# KiCad board rosco_m68k.kicad_pcb (continued)
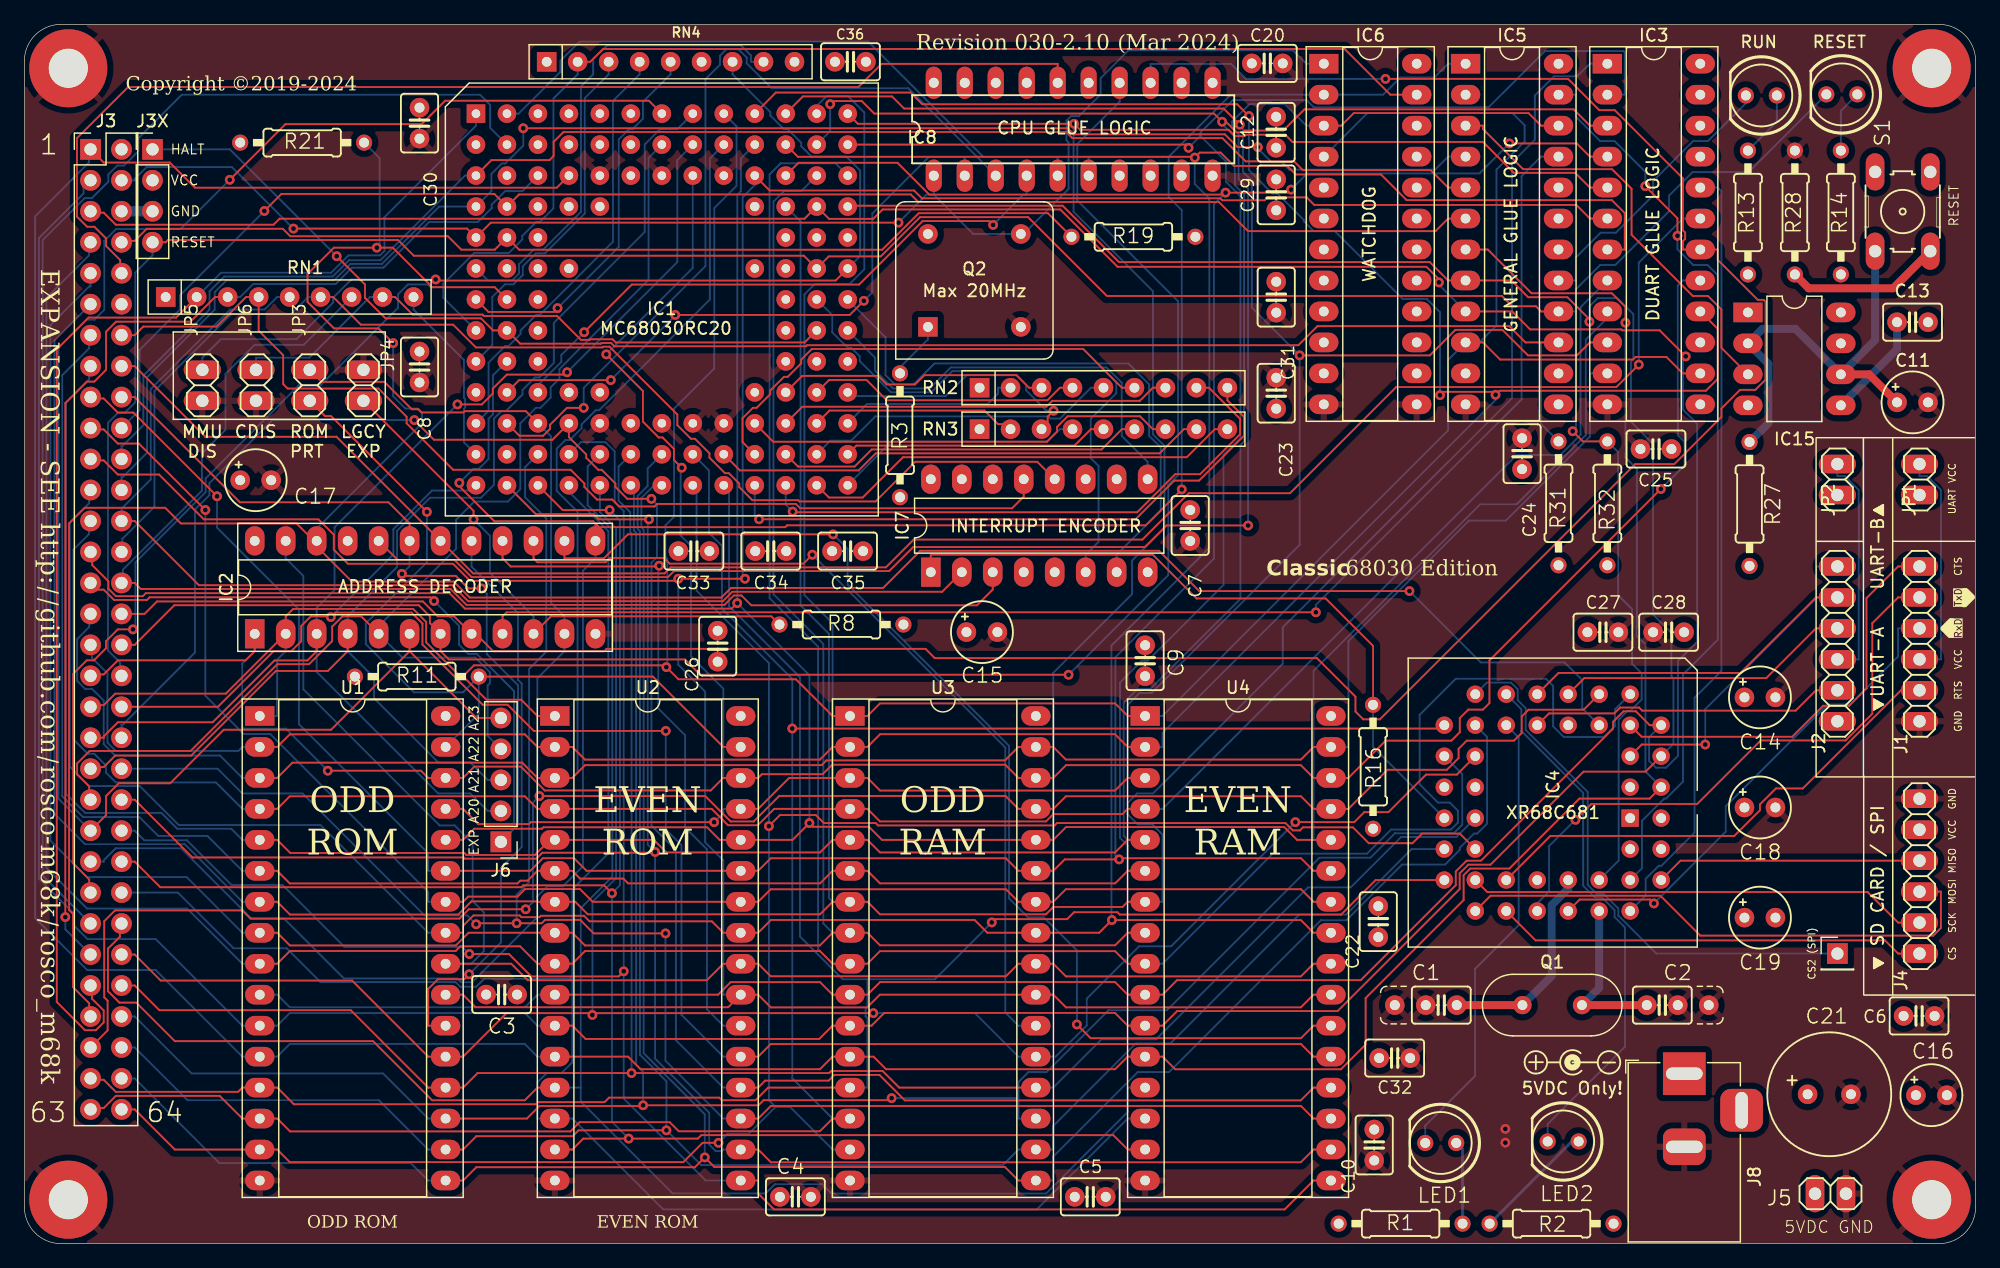
[diagram p0: board, top side]
## Routing (per net, layer and track width the routed paths; a pad name or vN(x,y) marks a point on that pad's centre or on a via; arc(x,y) is an arc through that point)
GND: length 265.2
  Route2 w0.65: IC1.J3 43.35,71.12 43.35,66.83 44.14,66.04 45.95,66.04 IC1.L5 48.43,68.52 51.03,68.52 IC1.L7 ; IC1.J3 40.81,71.06 32.83,71.06 C8.2 ; IC1.J3 40.87,73.6 40.87,76.2 IC1.G3 IC1.F3 IC1.E3 ; IC1.L7 51.03,66.04 51.03,64.23 51.82,63.44 52.78,63.44 53.57,62.65 53.57,59.4 C33.2 ; IC1.L7 IC1.L8 IC1.L9 ; IC1.C9 56.11,88.84 53.51,88.84 IC1.C7 50.88,86.21 50.88,86.18 48.61,86.18 IC1.C5 45.95,86.36 45.95,84.55 43.92,82.52 IC1.E3 ; IC1.C9 58.65,88.9 58.65,93.19 61.1,95.64 67.71,95.64 C36.2 ; IC1.C9 57.35,85.85 60.68,82.52 IC1.E11 63.67,81.28 63.67,73.6 IC1.J11 ; IC1.J11 63.67,71.12 69.18,71.12 69.62,70.68 69.62,57.65 C35.2 ; IC1.J11 60.68,72.36 57.35,69.03 IC1.L9 ; IC1.E3 40.87,83.76 40.87,85.51 40.08,86.3 35.6,86.3 32.4,89.5 C30.1 ; IC1.L9 58.59,66.04 60.34,66.04 61.16,65.22 61.16,58.11 C34.2 ; C18.- 142.31,37.05 139.55,37.05 138.76,36.25 132.86,36.25 130.48,38.63 117.62,38.63 111.02,32.03 C22.2
  Route2 w0.85: 7.96,84.67 12.26,84.67 13.22,85.63 13.22,92.47 9.29,96.4 H2.1 ; C21.- 151.51,13.98 151.51,26.23 151,26.74 C19.-
  Route15 w0.85: 149.37,11.84 C21.-
  Bottom w0.85: 7.96,84.67 J3-X1.3
  vias: v1(121.44,9.41) v1(121.44,8.28)
VCC: length 225.4
  Route15 w0.65: IC1.F2 40.81,78.74 40.81,76.2 IC1.H3 43.62,73.39 43.62,70.85 IC1.K4 43.41,68.58 43.41,66.77 44.14,66.04 48.49,66.04 IC1.L6 50.97,66.04 50.97,64.29 51.76,63.5 52.72,63.5 53.51,62.71 53.51,56.92 ; IC1.F2 38.33,78.74 36.58,78.74 32.4,74.56 C8.1 ; IC1.F2 40.81,81.22 40.81,83.03 41.6,83.82 43.41,83.82 IC1.D4 ; C35.1 69.47,60.04 69.47,72.21 68.02,73.66 63.67,73.66 IC1.H11 ; IC1.D10 61.13,86.3 61.13,88.05 61.92,88.84 62.94,88.84 63.73,89.63 63.73,94.2 C36.1 ; IC1.K10 61.13,68.58 61.13,58 C34.1 ; C30.2 33.2,93.97 47.71,93.97 48.49,93.19 48.49,88.84 IC1.C6
  Route15 w0.85: IC1.D4 45.99,83.72 47.74,83.72 49.73,85.71 IC1.C6 52.27,85.06 IC1.D10 59.89,82.52 IC1.F11 61.09,78.64 61.09,76.24 IC1.H11 59.89,72.36 IC1.K10 52.27,69.82 IC1.L6 ; R21.1 14.6,87.21 J3-X1.2 ; J3-X1.2 11.93,85.78 11.93,77.98 ; J3-X1.2 7.96,89.75 7.96,95.77 8.05,95.86 ; C19.+ 146.22,21.56 C21.+
VCCUA: length 18.9
  Bottom w0.152: JP1.1 155.4,62.95 156.02,62.95 157.15,61.82 157.15,47.92 J1.3
VCCUB: length 18.9
  Bottom w0.152: JP2.1 148.66,62.95 149.28,62.95 150.42,61.82 150.42,47.92 J2.3
A0: length 53.6
  Bottom w0.152: IC8.5 84.73,89.14 78.63,89.14 69.18,98.59 45.53,98.59 43.95,97 43.95,96.1 40.53,92.68 IC1.A2
A1: length 315.4
  Top w0.152: 134.21,37.44 133.27,36.5 127.51,36.5 121.77,30.76 118.56,30.76 118.02,30.22 118.02,28.18 109.98,20.14 109.98,16.32 107.96,14.3 94.36,14.3 93.33,15.34 U4.12 90.47,15.34 89.44,14.3 70.66,14.3 69.63,15.34 U3.12 66.27,15.34 65.24,14.3 50.53,14.3 49.5,15.34 U2.12 ; IC5.7 120,81.54 123.59,77.95 130.17,77.95 131.29,76.83 v1(131.29,75.53) ; IC1.C4 43.65,86.6 13.99,86.6 11.92,88.67 6.5,88.67 J3.1
  Bottom w0.152: v1(131.29,75.53) 131.29,64.48 132.22,63.55 132.22,49.86 132.93,49.16 132.93,38.73 134.21,37.44 ; U2.12 42.07,15.34 41.02,16.38 21.78,16.38 20.73,15.34 U1.12 17.87,15.34 10.77,22.44 5.14,22.44 0.89,26.69 0.89,84.27 5.29,88.67 5.29,89.62
A2: length 318.4
  Top w0.152: IC5.8 121.94,79 123.31,77.62 126.53,77.62 128.33,75.82 v1(128.33,75.61) ; 117.73,79 116.75,79 115.24,80.51 89.76,80.51 85.14,85.13 67.58,85.13 ; IC4.4 132.94,38.71 127.85,38.71 120.22,31.08 118.41,31.08 117.69,30.37 117.69,29.08 107.68,19.07 94.52,19.07 93.33,17.88 U4.11 90.47,17.88 89.42,18.92 70.52,18.92 69.47,17.88 U3.11 66.27,17.88 65.18,16.79 46.02,16.79 44.93,17.88 U2.11
  Bottom w0.152: J3.3 4.85,86.64 4.85,86.13 1.19,82.48 1.19,29.93 3.98,27.14 3.98,26.17 5.17,24.98 10.77,24.98 17.87,17.88 U1.11 20.73,17.88 21.76,18.91 41.04,18.91 42.07,17.88 U2.11 ; v1(128.33,75.61) 128.33,76.87 129.01,77.55 130.61,77.55 131.93,76.23 131.93,72.54 131.74,72.34 131.74,67.41 133.55,65.6 133.55,51.61 135.05,50.1 135.05,46.52 135.22,46.36 135.22,40.99 IC4.4
A3: length 306.6
  Top w0.152: IC4.6 133.28,42.52 132.14,43.66 131.13,43.66 130.27,42.8 130.27,42.24 119.44,31.41 118.26,31.41 117.37,30.52 117.37,29.4 109.59,21.61 94.52,21.61 93.33,20.42 U4.10 90.47,20.42 89.43,21.46 70.17,21.46 69.13,20.42 U3.10 66.27,20.42 65.24,21.45 57.91,21.45 56.88,20.42 U2.10 ; v1(115.99,78.84) 115.99,79.09 114.97,80.12 89.64,80.12 84.94,84.82 70.37,84.82 69.6,84.05 65.98,84.05 IC1.D12 63.97,84.06 20.92,84.06 20.43,83.57 7.49,83.57 6.5,84.56 5.54,84.56 ; IC5.9 122,76.46 123.47,74.98 130.95,74.98 131.03,74.9 134.09,74.9 v1(136.23,72.77)
  Bottom w0.152: v1(136.23,72.77) 135.99,72.54 135.99,68.41 137.17,67.24 137.17,49.36 135.59,47.79 135.59,40.01 134.61,39.03 133.79,39.03 133.23,39.59 133.23,41.54 IC4.6 ; U1.10 20.73,20.42 21.76,19.39 41.04,19.39 42.07,20.42 U2.10 ; IC5.9 115.99,78.64 v1(115.99,78.84)
A4: length 289.5
  Top w0.152: U4.9 90.47,22.96 89.44,23.99 70.16,23.99 69.13,22.96 68.41,22.96 ; U1.9 20.73,22.96 21.77,24 35.36,24 35.74,24.38 40.64,24.38 42.07,22.96 U2.9 44.93,22.96 45.97,23.99 65.23,23.99 66.27,22.96 U3.9
  Bottom w0.152: IC4.7 130.43,43.82 130.43,42.45 129.53,41.55 126.23,41.55 125.36,42.43 125.36,45.74 124.77,46.33 117.37,46.33 114.41,43.37 114.41,37.67 115.91,36.17 116.88,36.17 117.55,35.5 117.55,34.53 116.98,33.96 112.07,33.96 110.09,31.98 102.36,31.98 93.33,22.96 U4.9 ; U1.9 17.87,22.96 13.34,27.48 5.14,27.48 1.8,30.81 1.8,77.57 5.29,81.05 5.29,82 ; U3.9 66.27,22.96 65.09,24.14 65.09,48.96 61.1,52.94 61.1,87.69 62.02,88.61 66.5,88.61 IC1.C13
A5: length 210.6
  Top w0.152: U3.8 66.27,25.5 65.23,24.45 45.97,24.45 44.93,25.5 U2.8 36.42,25.5 35.38,24.46 21.77,24.46 20.73,25.5 U1.8 ; U4.8 90.47,25.5 89.44,24.47 70.16,24.47 69.13,25.5 68.41,25.5
  Bottom w0.152: IC1.C12 63.7,86.33 62.29,86.33 61.43,85.47 61.43,53.26 65.51,49.17 65.51,26.25 66.27,25.5 U3.8 ; J3.9 5.42,78.51 5.31,78.51 2.13,75.33 2.13,33.06 5.13,30.06 13.31,30.06 17.87,25.5 U1.8
A6: length 288.4
  Top w0.152: U4.7 90.47,28.04 90.05,27.61 84.37,27.61 83.77,27.01 70.16,27.01 69.13,28.04 U3.7 ; 66.99,28.04 66.27,28.04 65.24,27.01 46.2,27.01 45.17,28.04 U2.7 42.07,28.04 42.04,28.07 36.66,28.07 35.58,26.99 21.77,26.99 20.73,28.04 U1.7
  Bottom w0.152: J3.11 2.46,74.09 2.46,35.27 4.97,32.76 13.14,32.76 17.87,28.04 U1.7 ; IC1.D11 63.65,83.84 63.65,52.34 65.97,50.02 65.97,28.34 66.27,28.04 U3.7 ; IC3.1 128.37,96.78 127.35,95.75 125.44,95.75 123.86,94.17 123.86,90.53 121.99,88.66 121.99,69.34 103.18,50.54 103.18,47.56 92.55,36.93 91.25,36.93 90.46,36.14 90.46,35.22 91.29,34.39 92.5,34.39 93.33,33.55 93.33,28.04 U4.7
A7: length 272.2
  Top w0.152: v1(95.46,89.88) 95.2,90.14 IC1.B13 ; 66.99,30.58 66.27,30.58 65.24,29.55 49.5,29.55 49.11,29.94 45.57,29.94 44.93,30.58 U2.6 42.07,30.58 41.27,29.77 40.66,29.77 40.43,29.54 21.77,29.54 20.73,30.58 U1.6 ; U3.6 69.13,30.58 70.16,29.55 89.44,29.55 90.47,30.58 U4.6
  Bottom w0.152: U1.6 17.87,30.58 15,33.45 10.97,33.45 9.43,34.98 4.82,34.98 3.1,36.7 3.1,71.22 5.31,73.43 5.31,74.4 ; IC3.2 131.23,94.24 131.23,97.72 131.14,97.81 124.68,97.81 120.08,93.21 105.72,93.21 105.14,93.79 99.1,93.79 96.44,91.13 96.44,90.85 ; 96.44,90.85 98.53,88.76 98.53,87.1 99.71,85.91 99.71,66.08 98.32,64.69 98.32,54.02 92.11,47.81 91.63,47.81 89.84,46.02 89.84,33.29 90.47,32.66 90.47,30.58 U4.6 ; 96.44,90.85 v1(95.46,89.88)
A8: length 263.4
  Top w0.152: U3.5 69.13,33.12 70.16,32.08 89.44,32.08 90.47,33.12 U4.5 ; U1.5 20.73,33.12 21.81,32.04 36.08,32.04 36.24,31.88 41.86,31.88 43.1,33.12 ; 66.99,33.12 66.27,33.12 65.23,32.08 52.64,32.08 51.61,33.12 U2.5 ; v1(66.07,93.46) 66.33,93.71 68.66,93.71 69.69,92.69 97.54,92.69 v1(98.22,92.02) 98.53,92.02 99.4,91.14 99.92,91.14 100.07,91.29 103.22,91.29 104.97,93.03 127.03,93.03 128.37,91.7 IC3.3
  Bottom w0.152: v1(98.22,92.02) 98.22,91.82 99.25,90.78 99.25,86.81 100.02,86.05 100.02,65.8 99.71,65.49 99.71,52.88 92.32,45.48 91.27,45.48 90.14,44.36 90.14,33.44 90.47,33.12 U4.5 ; U1.5 17.87,33.12 16.96,34.02 12.53,34.02 11.23,35.33 4.97,35.33 3.41,36.89 3.41,68.99 5.31,70.89 5.31,71.86 ; v1(66.07,93.46) 66.07,91.24 IC1.B12
A9: length 257.7
  Top w0.152: U4.27 105.71,30.58 104.68,31.61 89.86,31.61 v1(89.77,31.51) 85.31,31.51 84.37,30.58 U3.27 81.51,30.58 80.48,31.61 61.2,31.61 60.17,30.58 U2.27 46.1,30.58 45.06,31.61 42.52,31.61 41.48,30.58 U1.27 ; v1(15.8,61.29) 8.93,68.16 7.66,68.16 6.5,69.32 5.54,69.32 ; IC3.4 128.37,89.16 127.3,90.23 v1(121.77,90.23) ; IC1.C11 63.48,88.65 71.59,88.65 74.2,86.04 98.34,86.04 v1(98.5,86.2) 103.62,86.2 v1(103.87,86.45)
  Bottom w0.152: U1.27 33.11,30.58 33.11,32.01 22.51,42.6 22.51,52 15.8,58.72 v1(15.8,61.29) ; v1(98.5,86.2) 97.54,85.25 97.54,56.18 89.46,48.1 89.46,31.82 v1(89.77,31.51) ; v1(121.77,90.23) 119.32,87.78 105.2,87.78 v1(103.87,86.45)
A10: length 265.2
  Top w0.152: U4.26 105.71,28.04 104.68,29.07 85.4,29.07 84.37,28.04 U3.26 ; 59.45,28.04 60.17,28.04 61.2,29.07 80.48,29.07 81.51,28.04 82.23,28.04 ; U2.26 46.6,28.04 45.55,29.08 41.05,29.08 40.43,28.46 36.4,28.46 35.97,28.04 U1.26 ; IC1.A13 68.34,91.85 v1(86.08,91.85) 86.57,91.35 98.76,91.35 99.28,90.84 100.05,90.84 100.16,90.95 103.39,90.95 103.98,90.36 119.61,90.36 122.14,87.82 127.17,87.82 128.37,86.62 IC3.5 ; v1(14.84,60.17) 9.39,65.62 7.66,65.62 6.5,66.78 5.54,66.78
  Bottom w0.152: U3.26 84.37,28.04 84.37,46.82 90.84,53.28 90.84,56.03 93.49,58.69 93.49,65.42 92.54,66.37 92.54,78.12 86.03,84.63 86.03,91.79 v1(86.08,91.85) ; U1.26 33.11,28.04 33.11,28.84 20.16,41.79 17.98,41.79 14.84,44.94 v1(14.84,60.17)
A11: length 275.1
  Top w0.152: v1(59.09,54.53) v1(53.62,54.53) 53.45,54.36 36.55,54.36 35.15,55.76 26.53,55.76 25.37,56.92 25.37,58.14 24.11,59.4 14.72,59.4 11.04,63.08 7.66,63.08 6.5,64.24 5.54,64.24 ; U3.23 70.15,20.42 69.1,19.37 61.21,19.37 60.17,20.42 U2.23 57.71,19.39 37,19.39 35.97,20.42 U1.23 ; IC3.6 128.37,84.08 127.26,85.19 105.77,85.19 105.15,85.81 101.93,85.81 101.69,85.57 98.24,85.57 98.07,85.74 73.59,85.74 72.95,86.38 61.11,86.38 IC1.C10 ; U4.23 105.71,20.42 104.67,19.38 85.41,19.38 84.37,20.42 83.65,20.42
  Bottom w0.152: v1(53.62,54.53) 53.62,47.48 55.82,45.27 55.82,32.92 57.31,31.43 57.31,20.42 U2.23 ; v1(59.09,54.53) 58.9,54.72 58.9,85.82 59.89,86.81 IC1.C10
A12: length 277.2
  Top w0.152: U1.25 35.97,25.5 35.97,26.06 36.82,26.91 40.62,26.91 40.76,26.78 42.24,26.78 42.35,26.89 45.89,26.89 46.34,26.43 56.37,26.43 57.31,25.5 U2.25 60.17,25.5 61.22,26.55 77.91,26.55 78.96,25.5 82.23,25.5 ; U3.25 88.14,25.5 v1(89.18,26.54) 104.67,26.54 105.71,25.5 U4.25 ; IC3.7 131.23,81.54 131.23,84.52 130.17,85.59 113.34,85.59 111.24,87.69 104.25,87.69 103.55,88.39 99.19,88.39 98.09,89.49 96.38,89.49 v1(95.97,89.08) 95.91,89.14 63.43,89.14 IC1.B11
  Bottom w0.152: v1(95.97,89.08) 95.97,86.92 97.17,85.72 97.17,57.07 89.14,49.04 89.14,26.58 v1(89.18,26.54) ; 5.31,61.7 5.31,60.73 3.71,59.13 3.71,39.14 5.33,37.52 9.47,37.52 12.66,34.33 24.28,34.33 33.11,25.5 U1.25
A13: length 241.2
  Top w0.152: 67.25,35.66 61.48,35.66 60.14,34.32 57.7,34.32 56.36,35.66 U2.4 42.07,35.66 41.04,36.69 21.76,36.69 20.73,35.66 U1.4 ; U4.4 90.47,35.66 90.04,35.23 84.37,35.23 83.77,34.63 70.16,34.63 69.13,35.66 U3.4
  Bottom w0.152: 64.97,93.31 65.8,94.14 67.51,94.14 68.87,92.78 68.87,79.91 67.67,78.71 64.83,78.71 63.96,77.84 63.96,53.19 66.27,50.88 66.27,35.66 U3.4 ; U1.4 17.87,35.66 15.7,37.83 7.5,37.83 6.69,38.63 6.69,39.21 5.73,40.18 5.2,40.18 4.02,41.36 4.02,56.92 5.29,58.19 5.29,59.14 ; U4.4 93.33,35.66 122.36,64.69 125.95,64.69 127.61,66.35 127.61,76.8 IC3.8
A14: length 245.5
  Top w0.152: U1.28 35.97,33.12 36.88,34.03 42.44,34.03 42.56,34.15 55.98,34.15 57.01,33.12 U2.28 62.99,33.12 v1(64.37,34.49) 64.68,34.19 69.25,34.19 70.32,33.12 82.23,33.12 ; U3.28 84.37,33.12 85.42,34.17 103.31,34.17 104.36,33.12 U4.28 ; 5.56,56.6 5.56,55.65 6.89,54.32 6.89,53.72 7.5,53.1 9.71,53.1 9.96,53.35 34.86,53.35 36.13,52.08 58.01,52.08 v1(58.46,52.53)
  Bottom w0.152: 129.8,75.92 128.04,74.15 128.04,66.32 122.36,60.64 119.37,60.64 105.71,46.98 105.71,33.12 U4.28 ; IC1.B10 58.75,89 58.75,86.32 58.46,86.02 v1(58.46,52.53) 64.37,46.62 v1(64.37,34.49)
A15: length 245.9
  Top w0.152: v1(33.59,52.71) 33.29,53.01 10.27,53.01 10.05,52.79 7.35,52.79 6.5,53.64 5.98,53.64 J3.29 ; 66.99,38.2 66.27,38.2 66.27,38.19 62.71,38.19 60.17,35.66 U2.29 ; U1.29 35.97,35.66 37.21,34.41 41.38,34.41 41.53,34.57 v1(56.56,34.57) ; IC1.A11 63.84,94.09 71.14,94.09 72.13,93.1 98.34,93.1 v1(99.66,91.77) ; v1(104.57,72.85) 115.25,72.85 117.34,74.94 121.2,74.94 123.29,72.85 127.31,72.85 128.37,73.92 IC3.10 ; U3.3 69.13,38.2 70.16,37.16 89.44,37.16 90.47,38.2 U4.3
  Bottom w0.152: v1(99.66,91.77) 99.92,91.51 99.92,87.9 100.65,87.18 100.65,76.77 v1(104.57,72.85) 104.57,57.31 92.44,45.17 91.45,45.17 90.47,44.19 90.47,38.2 U4.3 ; U2.29 57.31,35.66 57.31,35.32 v1(56.56,34.57) ; v1(33.59,52.71) 35.64,50.67 35.64,49.12 36.39,48.36 37.11,48.36 40.15,45.32 40.15,34.53 40.01,34.39 37.24,34.39 35.97,35.66 U1.29
A16: length 220
  Top w0.152: U1.3 20.73,38.2 21.98,39.45 40.82,39.45 42.07,38.2 U2.3 44.93,38.2 45.98,39.24 65.38,39.24 65.76,39.63 80.41,39.63 81.51,40.74 U3.31 ; U4.31 105.71,40.74 104.68,39.7 85.4,39.7 84.37,40.74 83.65,40.74
  Bottom w0.152: 5.31,51.54 5.31,50.57 4.32,49.58 4.32,46.14 4.98,45.49 5.55,45.49 6.5,44.54 6.5,40.97 7.44,40.03 16.04,40.03 17.87,38.2 U1.3 ; IC1.B9 56.21,89 56.21,77.43 47.13,68.35 46.85,68.35 45.69,67.2 45.69,66.88 44.71,65.9 44.35,65.9 43.65,65.2 43.65,61.74 45.36,60.03 45.36,38.63 44.93,38.2 U2.3 ; IC3.11 128.37,71.38 128.37,66.2 121.47,59.3 118.46,59.3 108.57,49.41 108.57,40.74 U4.31
A17: length 240.9
  Top w0.152: v1(116.08,69.59) 116.35,69.86 120.39,69.86 v1(120.64,69.62) 120.97,69.95 137.88,69.95 138.85,70.92 138.85,75.03 IC3.16 ; U2.2 44.93,40.74 45.97,39.7 65.23,39.7 66.27,40.74 U3.2 69.13,40.74 70.17,41.78 89.43,41.78 90.47,40.74 U4.2 ; 42.79,40.74 42.07,40.74 41.04,41.77 21.76,41.77 20.73,40.74 U1.2 ; IC1.A10 61.62,94.41 72.66,94.41 73.62,93.45 99.44,93.45 v1(100.41,92.48)
  Bottom w0.152: U1.2 17.87,40.74 17.54,40.41 7.5,40.41 6.81,41.1 6.81,46.77 5.55,48.03 5.55,48.99 ; v1(120.64,69.62) 120.64,69.2 93.33,41.89 93.33,40.74 U4.2 ; v1(116.08,69.59) 116.08,76.4 115,77.48 113.02,77.48 107.45,83.05 105.72,83.05 104.91,83.85 104.91,83.97 102.75,86.13 102.34,86.13 100.41,88.05 v1(100.41,92.48)
A18: length 235.4
  Top w0.152: v1(53.9,63.64) 53.26,64.27 53.26,65.19 52.33,66.12 52.02,66.12 50.72,67.42 50.72,69.93 v1(47.72,72.94) ; v1(24.88,38.79) 32.52,38.79 33.11,38.2 U1.30 35.97,38.2 36.9,39.13 40.71,39.13 42.67,37.17 56.28,37.17 57.31,38.2 U2.30 60.17,38.2 60.47,38.5 65.45,38.5 66.23,39.28 80.43,39.28 81.51,38.2 U3.30 84.37,38.2 85.42,39.24 104.66,39.24 105.71,38.2 U4.30 108.57,38.2 111.62,41.25 117.01,41.25 117.7,41.94 117.7,43.1 118.4,43.8 119.6,43.8 120.13,44.33 120.13,47.84 v1(134.19,61.89) ; IC2.1 18.89,48.59 18.14,47.84 7.66,47.84 6.5,46.68 5.54,46.68
  Bottom w0.152: v1(47.72,72.94) 54.81,80.03 IC1.C8 ; IC3.17 135.99,79 135.58,78.58 135.58,66.31 136.14,65.75 136.14,63.84 v1(134.19,61.89) ; IC2.1 18.89,48.59 17.86,47.56 17.86,42.37 18,42.23 21.43,42.23 v1(24.88,38.79) ; v1(53.9,63.64) 53.81,63.55 53.81,58.07 54.66,57.23 54.66,48.17 57.31,45.52 57.31,38.2 U2.30
A19: length 264
  Top w0.152: 35.96,46.53 36.87,47.43 52.49,47.43 v1(52.64,47.28) 53.63,46.29 63.26,46.29 66.27,43.28 U3.1 69.13,43.28 70.16,44.31 89.44,44.31 90.47,43.28 U4.1 ; 35.96,46.53 37.88,44.61 40.74,44.61 42.07,43.28 U2.1 ; 35.96,46.53 35.73,46.53 32.94,49.31 32.94,50.99 31.88,52.06 22.04,52.06 21.43,51.45 IC2.2 16.52,45.11 7.45,45.11 6.5,44.16 5.56,44.16 ; IC5.10 119.61,73.92 121.01,72.51 131.91,72.51 132.12,72.72 134.65,72.72 135.99,71.38 IC3.14
  Bottom w0.152: IC1.A9 58.4,91.63 58.4,86.76 56.57,84.94 56.57,71.78 53.27,68.48 53.27,59.62 52.57,58.92 52.57,56.32 52.72,56.18 52.72,47.36 v1(52.64,47.28) ; IC6.4 110.12,92.72 122.02,92.72 123.02,91.72 123.02,90.4 120.71,88.09 120.71,75.31 119.32,73.92 IC5.10 116.75,72.49 116.75,66.7 93.33,43.28 U4.1 ; U1.1 20.73,43.28 20.73,47.89 21.43,48.59 IC2.2
A20: length 102.8
  Top w0.152: J3.39 6.5,41.49 6.5,41.6 7.66,42.76 15.44,42.76 20.51,47.83 23.2,47.83 23.97,48.59 IC2.3 ; v1(44.5,71.47) 44.31,71.28 39.56,71.28 38.41,70.12 38.41,69.72 37.52,68.83 35.52,68.83 v1(35.51,68.83)
  Bottom w0.152: IC1.B8 53.54,88.87 53.54,80.5 v1(44.5,71.47) ; v1(35.51,68.83) 25.43,58.75 25.43,53.6 23.97,52.14 IC2.3 23.97,46.89 33.94,36.93 36.56,36.93 37.99,35.49 J6.2
A21: length 103.7
  Top w0.152: IC2.4 26.51,48.59 24.89,46.97 20.62,46.97 13.68,40.03 7.45,40.03 6.5,39.08 5.56,39.08
  Bottom w0.152: J6.3 37.99,38.03 36.56,39.47 33.94,39.47 28.67,44.74 28.67,46.43 26.51,48.59 IC2.4 26.51,51.45 30.56,55.5 30.56,58.47 33.26,61.17 37.43,61.17 38.5,62.24 38.5,67.67 39.11,68.28 39.48,68.28 40.85,69.64 40.85,70.02 41.88,71.04 42.23,71.04 43.41,72.23 43.41,75.52 50.87,82.98 50.87,90.15 52.13,91.41 53.54,91.41 IC1.A8
A22: length 102.5
  Top w0.152: 5.31,36.52 5.31,37.49 4.32,38.48 4.32,39.38 5.35,40.41 13.63,40.41 20.74,47.52 23.34,47.52 25.24,49.42 25.24,50.61 26.08,51.45 27.62,51.45 IC2.5
  Bottom w0.152: J6.4 37.99,41.65 37.99,45.78 38.17,45.96 38.17,46.87 36.98,48.06 31,48.06 IC2.5 ; IC1.B7 51.18,89.05 51.18,79.05 45.49,73.36 45.49,73.36 44.59,72.46 44.59,72.44 43.87,71.73 43.87,70.95 43.36,70.43 43.36,70.43 43.15,70.23 43.15,69.39 42.31,68.55 41.94,68.55 40.66,67.27 40.66,61.88 39.65,60.86 36.9,60.86 35.4,59.36 35.4,57 29.05,50.65
A23: length 146.1
  Top w0.152: IC2.6 31.59,48.59 ; 31.59,48.59 25.14,42.15 16.35,42.15 11.95,37.75 7.74,37.75 6.69,36.71 6.69,35.14 J3.45 ; 31.59,48.59 37.06,43.11 38.53,43.11 ; IC1.A7 51.21,93.74 34.5,93.74 32.58,91.82 21.4,91.82 v1(16.84,87.25)
  Bottom w0.152: J3.45 2.79,36.5 2.79,73.47 5.11,75.78 5.74,75.78 6.55,76.59 6.55,82.24 7.52,83.21 12.8,83.21 v1(16.84,87.25)
AS: length 216.3
  Top w0.152: 46.83,59.07 47.13,58.76 62.38,58.76 62.54,58.91 91.96,58.91 v1(94.9,61.86) ; 46.83,59.07 46.64,59.25 38.53,59.25 35.67,62.11 v1(35.67,62.4) ; 46.83,59.07 IC2.13
  Bottom w0.152: v1(94.9,61.86) 94.9,61.86 94.9,84.76 93.83,85.83 93.83,89.14 ; 93.83,89.14 98.92,94.24 IC6.2 111.42,94.24 112.83,95.65 115.62,95.65 116.75,96.78 IC5.1 ; 93.83,89.14 87.27,89.14 IC8.6 ; IC1.J2 38.42,71.21 38.42,68.02 38.07,67.67 38.07,64.36 37.25,63.55 36.82,63.55 v1(35.67,62.4) ; IC2.13 46.83,56.21 45.8,55.18 45.8,30.95 44.15,29.31 42.88,29.31 42.05,28.48 42.05,26.77 36.72,21.44 35.8,21.44 35.49,21.75 26.2,21.75 21.29,26.66 18.62,26.66 12.85,32.43 7.49,32.43 6.5,31.44 6.5,31.33 J3.47
BERR: length 167.1
  Top w0.152: IC6.23 112.01,94.24 108.26,97.98 47.44,97.98 46.4,96.93 RN4.2 ; 5.31,28.9 5.31,29.87 3.99,31.19 3.99,46.72 5.11,47.84 5.7,47.84 6.69,48.83 6.69,49.41 7.66,50.38 v1(8.9,50.38)
  Bottom w0.152: 34.34,78.44 34.34,77.59 IC1.H1 ; 34.34,78.44 34.34,78.71 36.88,81.25 39.72,81.25 40.83,82.36 40.83,82.66 41.96,83.79 42.26,83.79 43.38,84.91 43.38,93.92 45.37,95.91 RN4.2 ; 34.34,78.44 33.32,78.44 33.09,78.67 31.45,78.67 30.64,77.86 30.64,76.75 24.29,70.4 22.5,70.4 14.86,62.76 14.86,61.63 9.11,55.87 9.11,50.59 v1(8.9,50.38)
BG: length 104.5
  Bottom w0.152: IC1.B2 38.19,91.52 38.19,93.4 37.37,94.22 12.9,94.22 9.34,90.67 9.34,89.59 8.17,88.42 7.61,88.42 6.89,87.7 6.89,87.1 5.53,85.75 4.94,85.75 1.5,82.31 1.5,30.18 J3.51
BGACK: length 94.6
  Top w0.152: RN1.3 15.64,77.64 13.62,75.62 7.51,75.62 6.69,74.8 6.69,71.67 5.73,70.7 5.12,70.7 3.35,68.93 v1(3.35,26.78)
  Bottom w0.152: IC1.C3 40.84,86.33 39.43,86.33 38.32,85.22 38.32,84.93 37.18,83.79 33.18,83.79 29.44,80.05 26.87,80.05 25.52,78.71 18.77,78.71 17.7,77.64 RN1.3 ; J3.53 3.35,25.78 v1(3.35,26.78)
BOOT: length 114.7
  Top w0.152: IC2.9 39.21,51.45 39.54,51.78 v1(105.9,51.78)
  Bottom w0.152: IC5.21 124.37,89.16 122.77,87.56 122.77,69.26 105.9,52.39 v1(105.9,51.78)
BR: length 106.5
  Top w0.152: RN1.2 12.44,75.95 5.26,75.95 2.65,73.34 2.65,19.82 4.97,17.5 5.86,17.5 6.5,18.15 6.5,19.12 5.54,20.09 5.54,21.06
  Bottom w0.152: RN1.2 16.12,79.63 25.15,79.63 26.58,81.06 29.16,81.06 29.53,81.43 29.53,84.19 37.03,91.69 IC1.A1
CBACK: length 29.9
  Bottom w0.152: RN4.3 47.91,95.91 45.95,93.95 45.95,84.49 42.69,81.22 41.95,81.22 40.87,80.15 40.87,79.44 40.11,78.68 39.41,78.68 38.37,77.64 38.37,73.7 IC1.J1
CDIS: length 51
  Top w0.152: RN1.8 30.4,77.64 31.84,76.2 37.57,76.2 37.68,76.08 43.68,76.08 45.64,74.12 46.34,74.12 46.39,74.17 48.23,74.17 48.5,73.91 63.97,73.91 64.96,74.9
  Bottom w0.152: JP6.1 18.99,72.66 23.36,72.66 28.34,77.64 RN1.8
CIIN: length 35.6
  Bottom w0.152: RN4.4 50.45,95.91 48.26,93.72 48.26,82.18 42.26,76.17 41.96,76.17 40.69,74.9 40.69,74.61 39.71,73.63 39.43,73.63 38.07,72.26 38.07,68.32 IC1.L1
CLK: length 116.6
  Top w0.152: v1(22.06,83.25) 36.3,83.25 IC1.E1 38.25,83.74 v1(71.67,83.74)
  Bottom w0.152: IC8.1 74.57,86.04 ; 74.57,86.04 77.8,82.81 Q2.5 ; 74.57,86.04 73.97,86.04 v1(71.67,83.74) ; 81.93,82.81 85.62,86.5 85.62,90.33 85.45,90.5 85.45,92.11 85.82,92.47 86.47,92.47 88.25,94.25 88.25,95.59 90.54,97.88 104.02,97.88 105.12,96.78 IC6.1 ; v1(22.06,83.25) 17.03,88.29 10.01,88.29 9.04,87.32 9.04,87.21 7.96,87.21
CPUSP: length 136.9
  Top w0.152: IC6.3 107.98,91.7 109.01,92.72 123.34,92.72 124.37,91.7 IC5.22 ; v1(100.35,58.9) 93.65,58.9 91.88,57.13 72.89,57.13 70.92,55.16 53.27,55.16 52.77,54.67 36.67,54.67 35.27,56.06 30.62,56.06 IC2.20
  Bottom w0.152: IC6.3 105.12,91.7 103.35,93.47 100.47,93.47 99.03,92.03 99.03,91.51 99.57,90.98 99.57,87.32 100.35,86.54 v1(100.35,58.9)
CTSA: length 34.2
  Top w0.152: J1.6 153.65,55.54 151.05,52.95 151.05,45.53 149.63,44.11 147.5,44.11 144.96,41.57 132.62,41.57 IC4.8
CTSB: length 26.7
  Top w0.152: IC4.5 132.63,40.93 v1(137.83,40.93)
  Bottom w0.152: v1(137.83,40.93) 137.83,43.84 146.91,52.92 146.91,55.54 J2.6
D0: length 171.3
  Top w0.152: IC4.28 110.8,29.82 107.97,26.99 89.82,26.99 89.63,27.18 86.07,27.18 85.51,26.61 79.59,26.61 v1(79.32,26.34) ; 5.54,13.44 6.5,13.44 7.49,12.45 17.52,12.45 17.87,12.8 U1.13 20.73,12.8 22.1,11.43 41.94,11.43 42.12,11.61 47.58,11.61 47.94,11.97 56.97,11.97 57.18,11.76 59.96,11.76 60.99,12.8 U3.13
  Bottom w0.152: v1(79.32,26.34) 74.67,21.69 69.13,21.69 ; 69.13,21.69 67.1,21.69 63.59,25.19 63.59,46.46 57.78,52.27 57.78,61.77 ; 69.13,21.69 69.13,19.4 68.98,19.25 68.98,18.65 69.13,18.5 69.13,12.8 U3.13
D1: length 178.7
  Top w0.152: 5.54,11.12 6.5,11.12 7.5,12.12 16.01,12.12 17.87,10.26 U1.14 20.73,10.26 21.78,9.2 44.77,9.2 45.53,9.96 52.91,9.96 53.66,9.22 65.23,9.22 66.27,10.26 U3.14 ; 116.16,42.25 v1(62.96,42.25)
  Bottom w0.152: IC1.M8 56.14,63.41 56.14,58.29 57.2,57.23 57.2,52.08 62.96,46.31 v1(62.96,42.25) 62.96,13.56 66.27,10.26 U3.14
D2: length 178.7
  Top w0.152: v1(56.92,8.27) 55.61,8.27 54.03,6.69 21.76,6.69 20.73,7.72 U1.15 12.34,7.72 9.04,11.01 7.96,11.01 ; v1(61.05,34.24) 61.96,35.15 64.9,35.15 65.55,34.49 69.81,34.49 70,34.3 84.47,34.3 84.67,34.49 103.41,34.49 104.01,33.89 104.59,33.89 104.84,34.14 108.94,34.14 110.24,32.84 113.82,32.84 114.61,33.63 117.7,33.63 IC4.27
  Bottom w0.152: 55.12,61.89 55.12,53.55 61.05,47.63 v1(61.05,34.24) 61.05,11.76 61.59,11.21 ; 61.59,11.21 59.37,8.99 57.64,8.99 v1(56.92,8.27) ; 61.59,11.21 62.77,11.21 66.27,7.72 U3.15
D3: length 196.6
  Top w0.152: U1.17 35.97,5.18 37.06,6.27 54.99,6.27 v1(55.79,7.07) 56.58,6.28 80.4,6.28 81.51,5.18 U3.17
  Bottom w0.152: U1.17 33.11,5.18 31.68,6.61 15.99,6.61 9.04,13.55 7.96,13.55 ; 51.63,62.2 50.59,61.16 50.59,58.74 50.78,58.55 50.78,15.62 55.79,10.61 v1(55.79,7.07) ; IC4.19 119.94,41.55 119.94,34.44 119.13,33.63 118.86,33.63 117.7,32.47 117.7,32.29 116.5,31.09 112.98,31.09 108.41,26.53 106.31,26.53 93.85,14.07 91.29,14.07 84.37,7.14 84.37,5.18 U3.17
D4: length 182.9
  Top w0.152: U1.18 35.97,7.72 37.06,8.81 44.96,8.81 45.45,9.29 v1(52.65,9.29)
  Bottom w0.152: IC1.M7 51.11,63.58 51.11,62.14 50.29,61.32 50.29,58.61 50.47,58.43 50.47,15.5 52.65,13.32 v1(52.65,9.29) 55.49,6.44 80.24,6.44 81.51,7.72 U3.18 84.37,7.72 84.37,9.66 91.13,16.42 93.98,16.42 104.54,26.98 108.37,26.98 113.75,32.36 IC4.26 ; U1.18 33.11,7.72 29.06,11.77 13.37,11.77 9.04,16.09 7.96,16.09
D5: length 184.4
  Top w0.152: v1(71.11,11.93) 70.94,11.76 60.62,11.76 60.2,11.34 v1(50.73,11.34) 50.67,11.29 42.23,11.29 41.2,10.26 U1.19
  Bottom w0.152: IC4.20 117.9,38.51 117.9,34.35 117.21,33.66 112.38,33.66 110.37,31.65 106.19,31.65 93.69,19.15 88.9,19.15 83.82,14.07 82.33,14.07 81.51,13.25 81.51,11.93 ; U3.19 81.51,10.26 81.51,11.93 ; v1(50.73,11.34) 50.73,14.1 50.17,14.67 50.17,58.3 49.98,58.49 49.98,61.95 ; 7.96,18.63 9.04,18.63 13.72,13.96 29.41,13.96 33.11,10.26 U1.19 ; 81.51,11.93 v1(71.11,11.93)
D6: length 176.4
  Top w0.152: U3.20 71.73,12.8 70.37,14.16 66.16,14.16 65.99,13.99 v1(49.78,13.99) 37.16,13.99 35.97,12.8 U1.20 33.11,12.8 26.76,19.14 11.07,19.14 9.04,21.17 7.96,21.17
  Bottom w0.152: U3.20 84.37,12.8 88.33,16.76 92.8,16.76 105.26,29.22 108.76,29.22 112.89,33.35 117.42,33.35 IC4.25 ; IC1.M6 48.73,63.74 48.73,60.94 49.68,59.99 49.68,58.36 49.78,58.25 v1(49.78,13.99)
D7: length 173.4
  Top w0.152: 7.96,23.71 9.04,23.71 11.17,21.58 26.87,21.58 33.11,15.34 U1.21 ; IC4.21 117.46,38.47 114.93,38.47 111.85,35.39 109.87,35.39 109.05,34.57 v1(104.22,34.57) ; v1(69.61,18.91) 46.73,18.91 v1(46.58,18.75) 46.43,18.91 39.54,18.91 35.97,15.34 34.99,15.34
  Bottom w0.152: v1(46.58,18.75) 46.58,28.03 48.51,29.97 48.51,58.67 47.19,60 IC1.N5 ; v1(104.22,34.57) 94.04,24.39 91.41,24.39 87.12,20.1 87.12,17.9 84.56,15.34 U3.21 81.51,15.34 77.94,18.91 v1(69.61,18.91)
D8: length 158.9
  Top w0.152: 7.83,26.12 7.83,25.17 6.85,24.19 6.85,20.71 7.79,19.77 9.18,19.77 12.34,16.61 28.59,16.61 33.44,11.76 41.03,11.76 42.07,12.8 U2.13
  Bottom w0.152: 45.63,12.8 45.63,11.65 53.15,4.12 60.78,4.12 61.54,4.88 65.41,4.88 66.19,4.1 83.78,4.1 90.47,10.8 90.47,12.8 U4.13 ; 45.63,12.8 45.63,27.51 48.21,30.1 48.21,58.54 46.19,60.57 46.19,63.74 IC1.M5 ; 45.63,12.8 U2.13
D9: length 152.8
  Bottom w0.152: 44.93,21.93 44.93,21.9 44.75,21.72 ; 44.93,21.93 44.93,21.72 ; 44.93,21.93 44.93,29.06 47.88,32.01 47.88,58.44 44.65,61.67 ; 7.96,28.79 12.58,28.79 17.15,24.23 21.5,24.23 24.28,21.45 35.37,21.45 35.74,21.07 37.05,21.07 37.71,21.72 44.75,21.72 ; 44.93,21.54 44.93,14.87 44.06,14 42.85,14 42.07,13.23 42.07,10.26 U2.14 44.93,10.26 52.38,2.81 83.02,2.81 90.47,10.26 U4.14 ; 44.93,21.54 44.93,21.72 ; 44.93,21.54 44.75,21.72 44.75,21.72 ; 44.75,21.72 44.93,21.72
D10: length 150.2
  Top w0.152: 7.96,31.33 9.04,31.33 11.14,29.23 40.76,29.23 40.91,29.39 47.53,29.39 v1(48.18,28.74) ; IC1.N3 44.15,60.16 v1(47.99,60.16) ; U4.15 90.47,7.72 89.29,8.9 55.51,8.9 55.22,8.61 v1(49.55,8.61) 45.83,8.61 44.93,7.72 U2.15
  Bottom w0.152: v1(49.55,8.61) 48.18,9.99 v1(48.18,28.74) 48.83,29.39 48.83,59.32 v1(47.99,60.16)
D11: length 167.5
  Top w0.152: U4.17 105.71,5.18 103.34,2.8 61.47,2.8 60.17,4.1 60.17,5.18 U2.17 ; v1(49.14,22.33) 48.73,21.91 41.57,21.91 39.73,23.76 v1(36.48,23.76)
  Bottom w0.152: IC1.M4 45.65,65.74 47.64,65.74 48.41,64.97 48.41,60.83 49.14,60.09 v1(49.14,22.33) 49.14,11.9 55.87,5.18 U2.17 ; v1(36.48,23.76) 35.9,24.33 26.25,24.33 21.17,29.41 16.99,29.41 13.32,33.08 9.83,33.08 9.04,33.87 7.96,33.87
D12: length 164.3
  Top w0.152: U4.18 105.71,7.72 104.66,6.67 61.22,6.67 60.17,7.72 U2.18 ; IC1.N2 41.94,59.83 46.67,59.83 47.1,59.4 v1(51.22,59.4) ; v1(51.72,32.12) 51.66,32.06 42.47,32.06 41.99,31.57 36.12,31.57 36.02,31.67 13.78,31.67 9.04,36.41 7.96,36.41
  Bottom w0.152: v1(51.22,59.4) 51.12,59.3 51.12,32.72 v1(51.72,32.12) 51.72,15.17 56.15,10.74 56.15,8.13 56.69,7.59 57.19,7.59 57.31,7.72 U2.18
D13: length 159
  Top w0.152: v1(52.57,25.44) 46.69,25.44 45.58,26.55 42.7,26.55 42.43,26.28 v1(40.37,26.28) 37.13,26.28 v1(37.05,26.19) ; U4.19 105.71,10.26 104.68,11.29 61.2,11.29 60.17,10.26 U2.19
  Bottom w0.152: IC1.M3 41.06,63.69 41.06,61.21 42.8,59.47 42.8,48.55 41.38,47.14 41.38,29.64 40.37,28.63 v1(40.37,26.28) ; v1(52.57,25.44) 52.57,15 57.31,10.26 U2.19 ; v1(37.05,26.19) 36.32,26.92 32.81,26.92 22.8,36.93 17.87,36.93 15.85,38.95 7.96,38.95
D14: length 169.8
  Top w0.152: v1(51.41,61.09) 49.44,61.09 48.46,62.07 48.46,62.35 47.34,63.47 47.05,63.47 46.07,64.45 46.07,64.72 44.65,66.15 IC1.L4 43.3,65.93 33.58,65.93 v1(31.97,67.54) ; U2.20 60.17,12.8 60.74,13.37 65.95,13.37 66.42,13.84 70.11,13.84 72.2,11.75 104.66,11.75 105.71,12.8 U4.20
  Bottom w0.152: v1(51.41,61.09) 51.87,60.63 51.87,56.31 51.42,55.86 51.42,34.28 53.42,32.28 53.42,16.68 57.31,12.8 U2.20 ; 7.96,41.49 7.96,42.57 8.08,42.57 13.99,48.48 13.99,60.21 15.17,61.39 15.17,62.37 20.34,67.54 v1(31.97,67.54)
D15: length 150
  Top w0.152: U4.21 105.71,15.34 104.68,16.37 61.2,16.37 60.17,15.34 U2.21 ; 7.96,44.03 15.87,44.03 20.43,48.59 21.88,48.59 22.7,49.41 22.7,50.65 23.49,51.45 25.07,51.45 v1(25.13,51.39) 25.49,51.75 31.75,51.75 32.64,50.86 32.64,49.14 37.58,44.2 39.62,44.2 41.77,42.05 v1(52.59,42.05)
  Bottom w0.152: 36.6,61.77 33.43,61.77 30.25,58.59 30.25,56.52 v1(25.13,51.39) ; v1(52.59,42.05) 52.59,33.97 53.87,32.69 53.87,18.77 57.31,15.34 U2.21
DBEN: length 15.1
  Bottom w0.152: IC1.M1 36.04,65.73 36.04,68.46 36.14,68.57 36.14,69.28 36.04,69.38 36.04,72.48 31.91,76.61 RN1.9
DS: length 50.9
  Top w0.152: v1(48.08,70.82) 40.57,70.82 IC1.K2 ; v1(68.83,77.33) 67.68,76.17 v1(53.37,76.17)
  Bottom w0.152: v1(48.08,70.82) 53.37,76.11 v1(53.37,76.17) ; v1(68.83,77.33) 69.53,78.02 69.53,84.49 74.18,89.14 77.11,89.14 IC8.2
DSACK0: length 40
  Bottom w0.152: 60.61,96.93 59.58,96.93 59.58,97.45 58.75,98.28 47.78,98.28 46.64,97.14 46.64,95.91 45.64,94.91 45.64,84.63 42.54,81.53 41.76,81.53 40.56,80.33 40.56,79.57 39.98,78.99 38.02,78.99 IC1.F1
DTACK: length 238.1
  Top w0.152: v1(113.57,53.52) 96.34,53.52 93.04,56.83 73.46,56.83 70.41,53.78 57.94,53.78 57.15,52.99 36.51,52.99 35.2,54.3 26.85,54.3 23.97,57.19 ; 5.31,18.74 5.31,19.71 3.98,21.04 3.98,27.04 3.67,27.36 3.67,59.08 4.94,60.35 11.55,60.35 12.83,59.07 22.31,59.07 23.97,57.41 ; v1(30.24,73.86) 29.03,75.07 25.39,75.07 23.22,77.24 23.22,79.53 25.38,81.69 v1(28.9,81.69) 30.21,81.69 33.45,78.44 38.57,78.44 IC1.G2
  Bottom w0.152: 23.97,58.64 32.6,67.28 32.6,68.1 32.21,68.49 31.25,68.49 30.24,69.5 v1(30.24,73.86) ; IC4.10 127.74,43.91 127.74,46.22 126.29,47.67 119.42,47.67 v1(113.57,53.52) ; R21.2 29.13,89.03 29.13,81.92 v1(28.9,81.69)
DUAIACK: length 75.1
  Top w0.152: v1(135.55,82.66) 135.55,84.09 v1(132.92,86.73)
  Bottom w0.152: IC4.41 132.64,30.79 132.64,34.67 134.47,36.5 134.62,36.5 136.01,37.89 136.01,46.68 138.85,49.52 138.85,79.43 138.02,80.27 136.84,80.27 135.55,81.55 v1(135.55,82.66) ; v1(132.92,86.73) 132.92,87.91 130.4,90.43 129.22,90.43 127.23,92.42 127.23,94.24 IC5.23
DUAIRQ: length 57.3
  Top w0.152: IC7.1 74.32,56.5 92.53,56.5 96.12,52.91 106.71,52.91 110.59,49.03 R16.2
  Bottom w0.152: R16.2 110.59,40.74 IC4.24
DUASEL: length 64.1
  Bottom w0.152: IC4.39 132.94,28.55 132.94,29.92 134.02,30.99 134.24,30.99 136.95,33.71 136.95,44.77 139.16,46.98 139.16,86.31 138.85,86.62 IC3.20
E: length 97.3
  Top w0.152: IC8.16 84.73,96.76 70.29,96.76 68.39,94.86 8.5,94.86 4.31,90.67 4.31,84.24 5.15,83.4 5.74,83.4 6.69,82.44 6.69,81.83 7.85,80.67 7.85,79.7
EVENRAMSEL: length 95.2
  Top w0.152: U4.22 105.71,17.88 104.68,16.85 87.43,16.85 v1(86.31,17.97) ; v1(66.31,58.17) 49.49,58.17 47.53,56.21 44.29,56.21 IC2.14
  Bottom w0.152: v1(66.31,58.17) 67.5,56.99 67.5,54.06 80.74,40.82 80.74,28.32 82.29,26.77 83.59,26.77 86.31,24.05 v1(86.31,17.97)
